# Altium PCB VFDControl.PcbDoc
Units mm, origin at the board's own origin, x right, y up, seen from the top; angles counter-clockwise.
Board outline 90.04 x 90.04 mm, 2 copper layers (Top Layer, Bottom Layer); 47 components, 52 nets, 216 pads, 31 vias.
Unrouted connection lines stored in the file: 3.
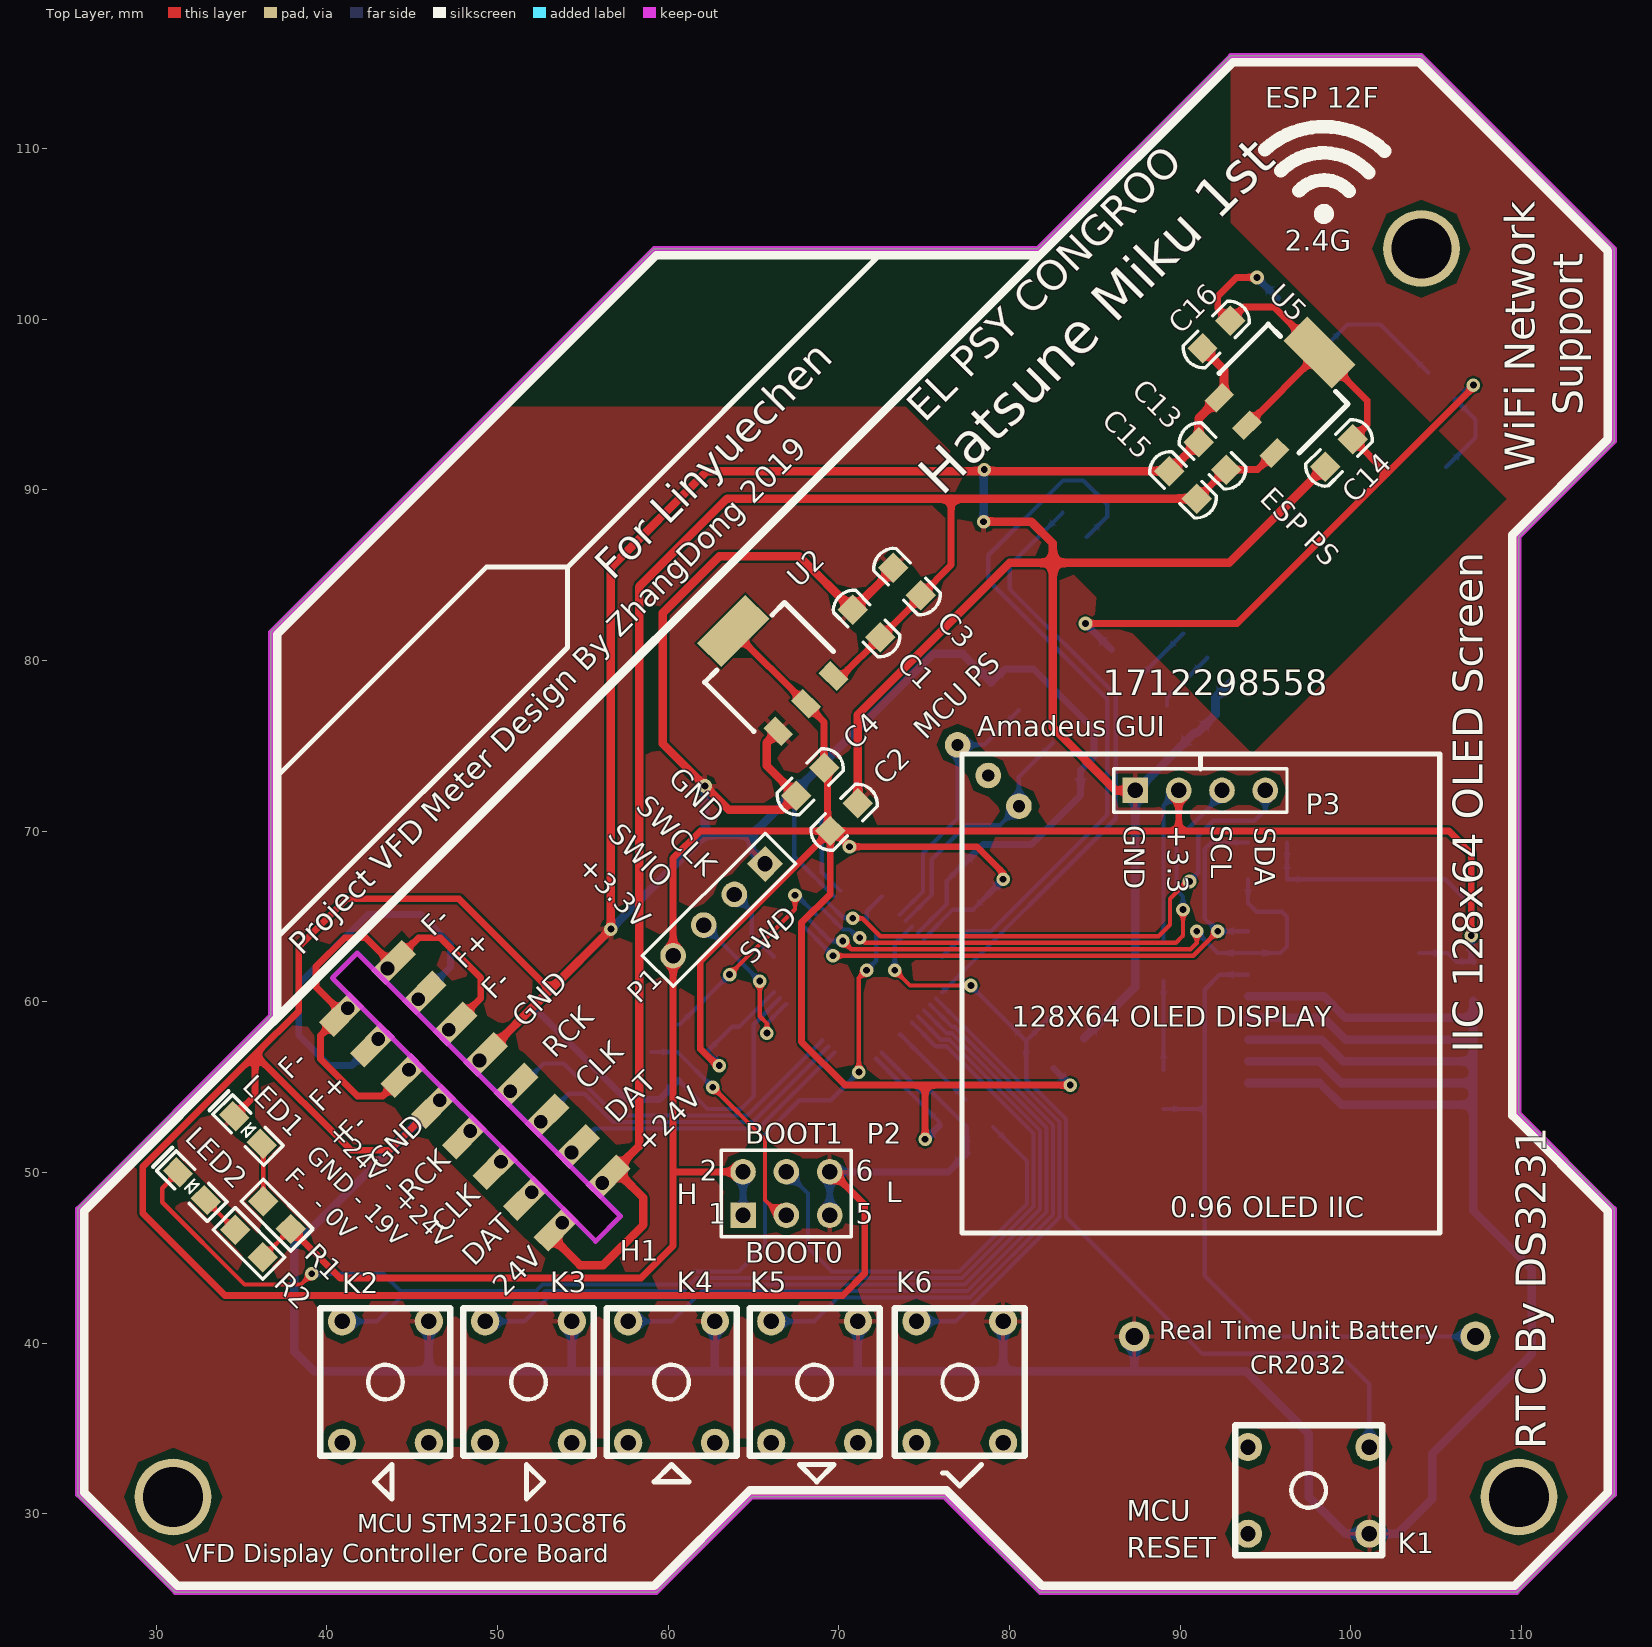
[diagram p0: Top Layer view]
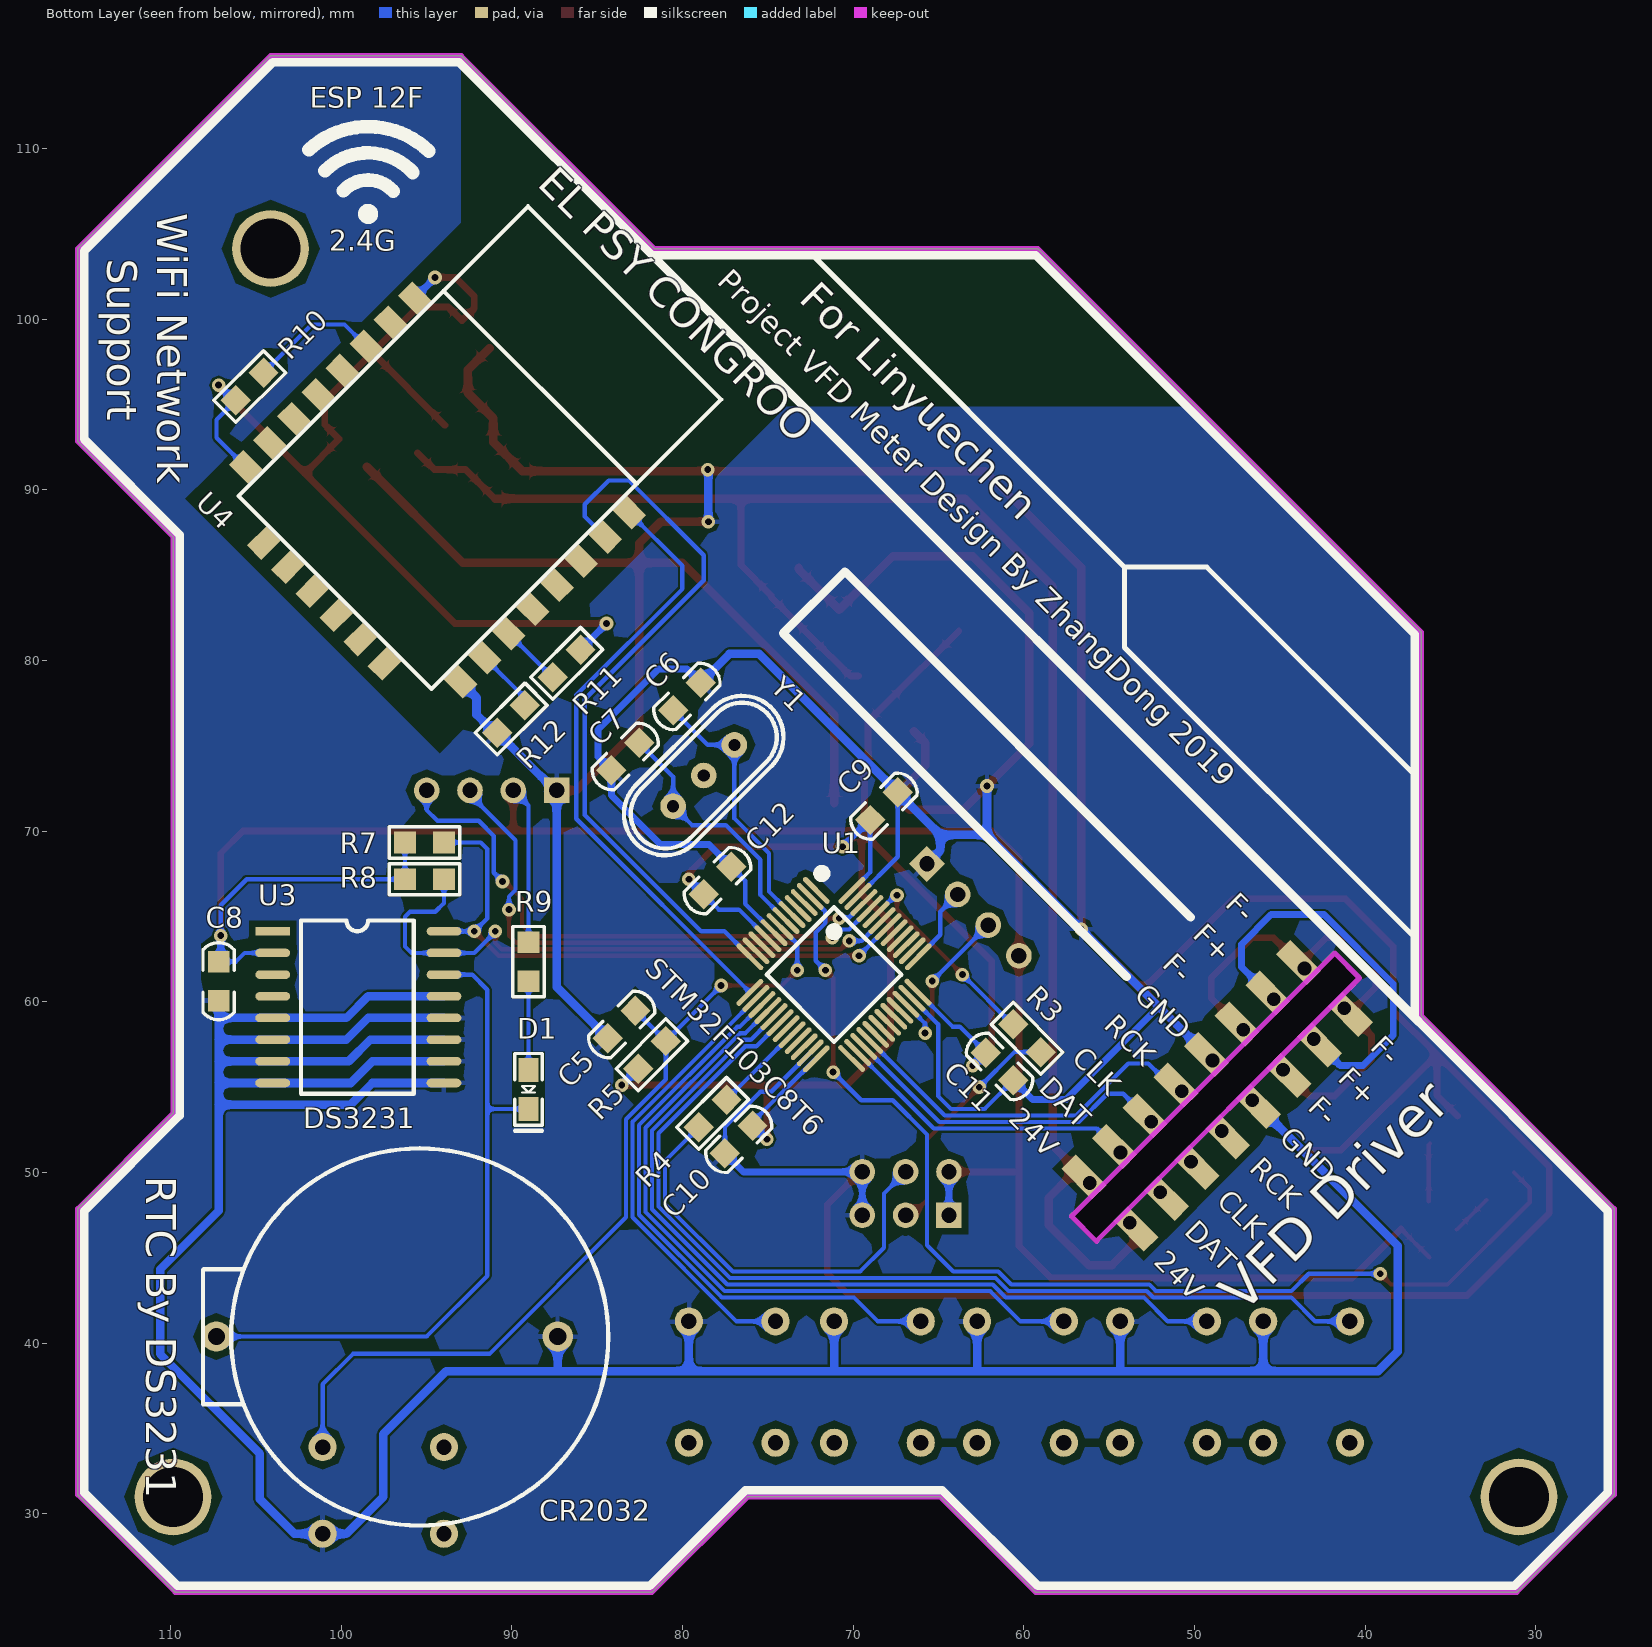
[diagram p1: Bottom Layer view, seen from below]
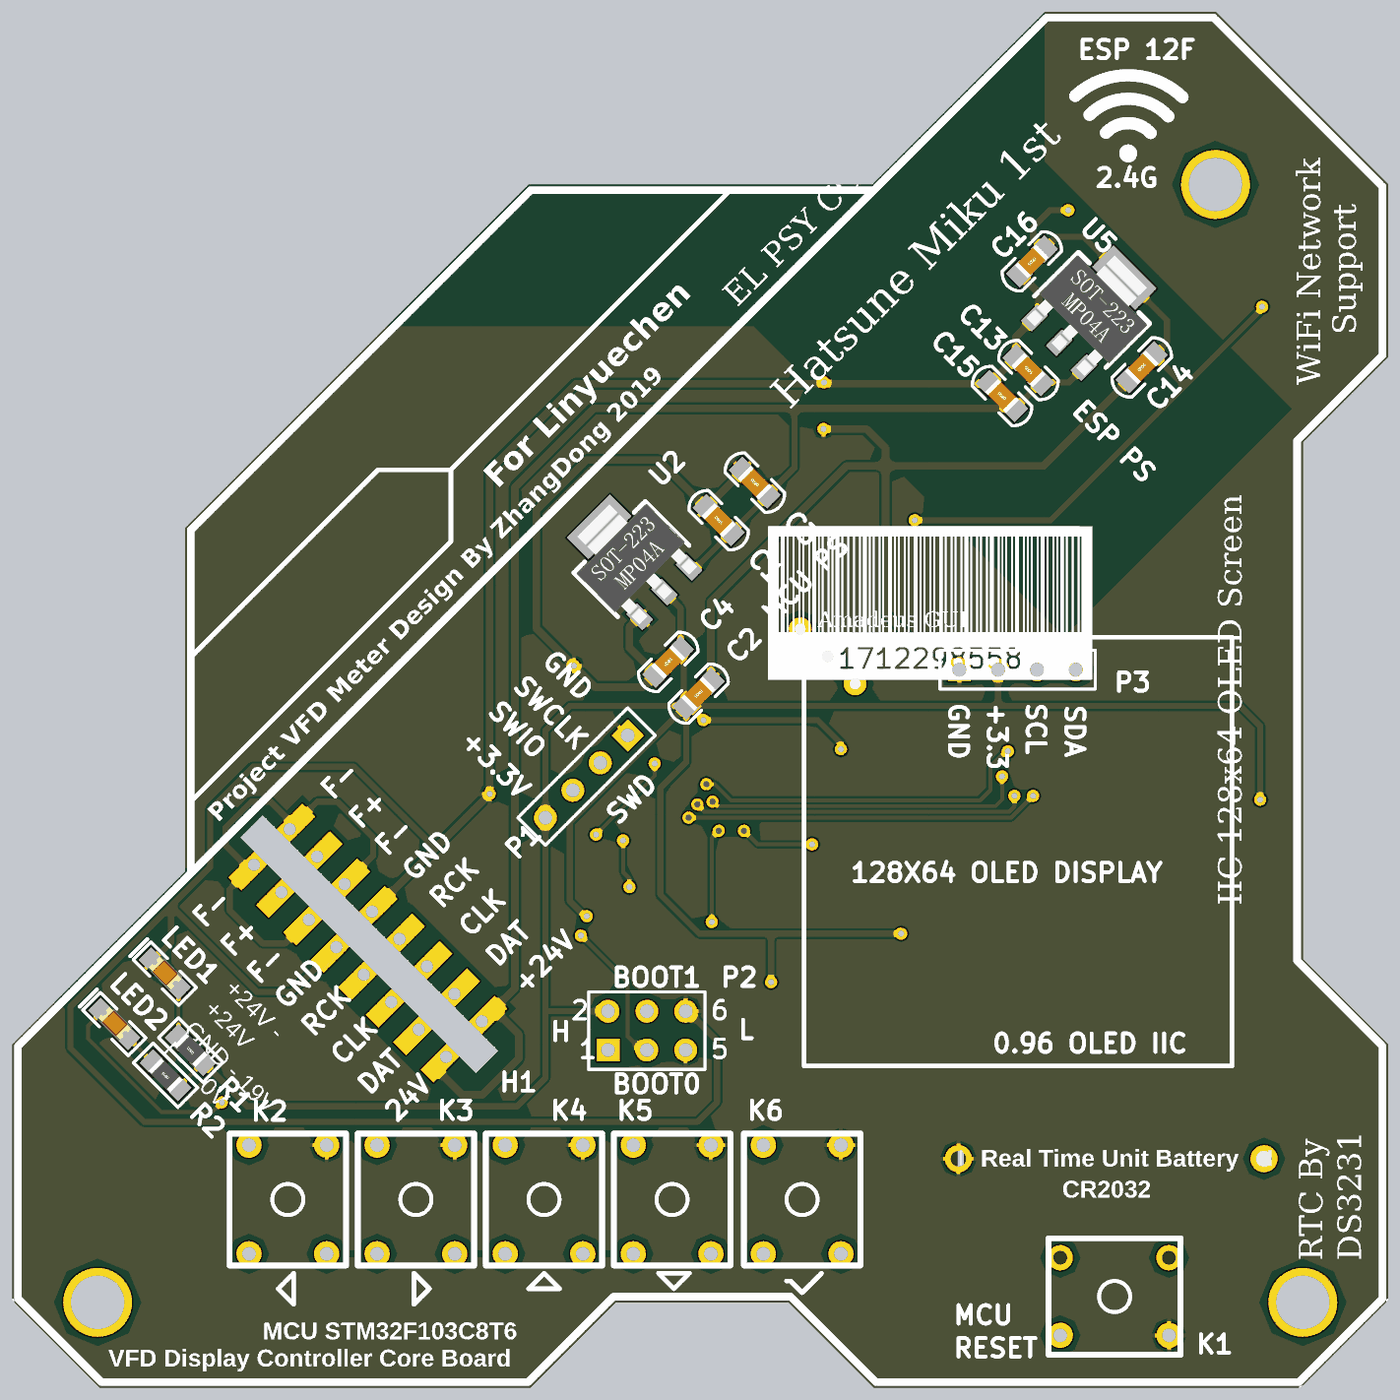
[diagram p2: 3D render of the assembled board from above, using the file's embedded part models]
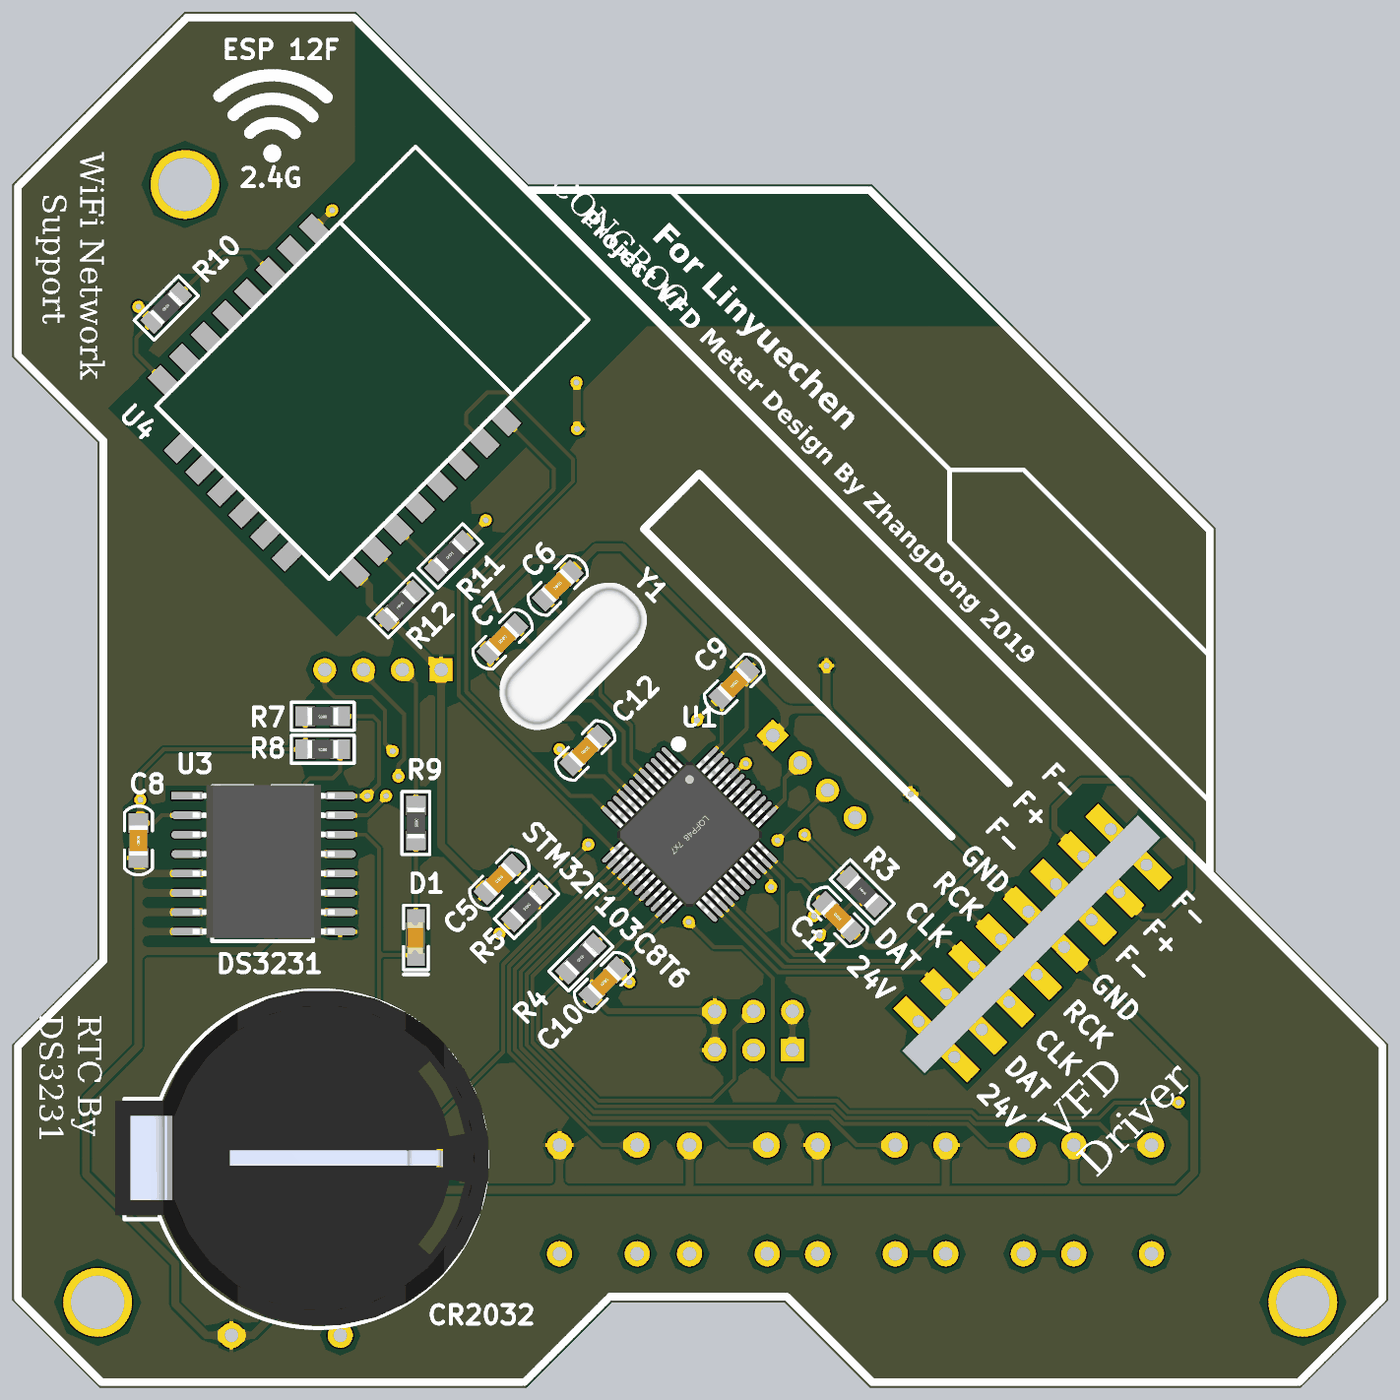
[diagram p3: 3D render of the assembled board from below, using the file's embedded part models]

## Layer stack, top to bottom
Top Solder: solder mask 0.0102, Solder Resist, Dk 3.5
Top Layer: signal copper 0.0356
Dielectric 1: dielectric 0.32, FR-4, Dk 4.8
Bottom Layer: signal copper 0.0356
Bottom Solder: solder mask 0.0102, Solder Resist, Dk 3.5

## Board outline
31.115,25.4 59.309,25.4 64.897,30.988 76.2,30.988 81.788,25.4 109.728,25.4 115.443,31.115 115.443,47.879 109.855,53.467 109.855,87.249 115.443,92.837 115.443,104.14 104.14,115.443 92.964,115.443 81.661,104.14 59.182,104.14 36.703,81.661 36.703,59.182 25.4,47.879 25.4,31.115
cut-out: 55.753,45.974 40.322,61.404 41.783,62.865 57.213,47.434

## Design rules (kind name [scope] priority, off if disabled: settings)
Clearance [All] p1: gap=0.127 ignorepadtopadclearanceinfootprint=FALSE except(0: Arc-Hole Track-Hole SMDPad-Hole THPad-Hole Via-Hole Fill-Hole Poly-Hole Region-Hole Text-Hole; 0.4: THPad-Fill THPad-Poly THPad-Region)
PolygonConnect [All] p1: connectstyle=Relief reliefconductorwidth=0.254 reliefentries=4 polygonreliefangle="90 Angle" airgapwidth=0.254
RoutingVias [All] p1: holewidth=0.4 width=0.8 viastyle="Through Hole" minholewidth=0.3 minwidth=0.6 maxholewidth=6.3 maxwidth=6.3
SolderMaskExpansion [All] p1: expansion=0.102
Width [All] p1: maxlimit=1 minlimit=0.254 preferedwidth=0.254
30 further rules are at their usual default settings.

## Components (designator, comment, footprint, x,y, rotation, side; value= is the part's Value field where it differs from the comment)
C1 "104" "C 0805" 71.628,82.169 r315 top
C2 "104" "C 0805" 70.312,70.82 r225 top
C3 "105" "C 0805" 73.995,84.628 r135 top
C4 "105" "C 0805" 68.326,72.898 r225 top
C5 "104" "C 0805" 83.566,58.674 r135 bottom
C6 "22pF" "C 0805" 79.746,77.897 r135 bottom
C7 "22pF" "C 0805" 83.358,74.376 r315 bottom
C8 "104" "C 0805" 107.188,61.214 r90 bottom
C9 "104" "C 0805" 68.199,71.465 r135 bottom
C10 "104" "C 0805" 76.708,51.943 r315 bottom
C11 "104" "C 0805" 61.422,56.215 r225 bottom
C12 "104" "C 0805" 77.95,67.102 r135 bottom
C13 "104" "C 0805" 91.902,91.994 r315 top
C14 "104" "C 0805" 99.314,92.167 r45 top
C15 "105" "C 0805" 90.17,90.297 r135 top
C16 "105" "C 0805" 92.121,99.106 r225 top
CR2032 "电池座" "CR2032 电池座" 95.377,40.386 r270 bottom
D1 "IN4148" 0805D 89.027,56.007 r270 bottom
H1 "Seat" SEAT8 56.128,49.38 r135 top
K1 "按键" 按键 97.536,31.369 r270 top
K2 "按键" 按键 43.434,37.719 r0 top
K3 "按键" 按键 51.816,37.719 r0 top
K4 "按键" 按键 60.198,37.719 r0 top
K5 "按键" 按键 68.58,37.719 r0 top
K6 "按键" 按键 77.089,37.719 r0 top
LED1 "LED" 0805D 36.195,51.689 r135 top
LED2 "LED" 0805D 32.893,48.387 r135 top
P1 "SWD" HDR1X4 65.677,68.09 r225 top
P2 "Header 3X2" HDR2X3 64.389,47.498 r0 top
P3 "OLED" HDR1X4 87.376,72.39 r0 top
R1 "1K" "R 0805" 37.084,47.498 r135 top
R2 "1K" "R 0805" 35.433,45.847 r135 top
R3 "100K" "R 0805" 59.817,57.866 r225 bottom
R4 "100K" "R 0805" 78.232,53.467 r135 bottom
R5 "1K" "R 0805" 81.788,56.896 r315 bottom
R7 "1K" "R 0805" 95.123,69.342 r0 bottom
R8 "1K" "R 0805" 95.123,67.183 r0 bottom
R9 "1K" "R 0805" 89.027,62.357 r270 bottom
R10 "10K" "R 0805" 105.364,96.058 r135 bottom
R11 "10K" "R 0805" 86.787,79.837 r135 bottom
R12 "10K" "R 0805" 90.043,76.581 r135 bottom
U1 "STM32F103C8T6" "LQFP48 7X7_M" 71.12,61.595 r315 bottom locked
U2 "LM1117" SOT-223 66.456,75.854 r45 top
U3 "DS3231" SOL-16 104.013,64.135 r180 bottom
U4 "ESP-12F" ESP-12F 106.023,89.643 r225 bottom
U5 "LM1117" SOT-223 92.294,95.4 r315 top
Y1 "XTAL" XTAL1 78.758,73.261 r135 bottom

## Footprints (in the part's own frame and the unit in brackets; to place one, negate y for a bottom-side part, rotate by r counter-clockwise, add the part's x,y. Pads: shape width x height; smd on the part's side, far side on the other; paste and mask are expansions set on the pad)
0805D [mil]
  rect 55x45 smd: 1(0,0) 2(90,0)
  silkscreen extent -38,-32 140,32, body extent 6,-27 86,23, height 43
"C 0805" [mil] "无极性贴片电容"
  rect 50x50 smd: 1(-45,0) 2(45,0)
  silkscreen extent -89,-36 89,36, body extent -39,-24 39,24, height 20
"CR2032 电池座" [mil]
  round 70 hole 40: 1(0,-470) 2(0,317.4)
  silkscreen extent -434,-501 436,434, body extent -435,-524 431,440, height 335
ESP-12F [mm]
  rect 1.6x1.2 smd: 1(-0.9,15.5) 2(-0.9,13.5) 3(-0.9,11.5) 4(-0.9,9.5) 5(-0.9,7.5) 6(-0.9,5.5) 7(-0.9,3.5) 8(-0.9,1.5) 15(16.9,1.5) 16(16.9,3.5) 17(16.9,5.5) 18(16.9,7.5) 19(16.9,9.5) 20(16.9,11.5) 21(16.9,13.5) 22(16.9,15.5)
  rect 1.2x1.6 smd: 9(3,-0.9) 10(5,-0.9) 11(7,-0.9) 12(9,-0.9) 13(11,-0.9) 14(13,-0.9)
  silkscreen extent 0,0 16,24, body extent -1.4,-1.4 17.42,24.18, height 2.4
HDR1X4 [mm] "Connector; Header; 4 Position"
  rect 1.5x1.5 hole 0.9: 1(0,0)
  round 1.5 hole 0.9: 2(2.54,0) 3(5.08,0) 4(7.62,0)
  silkscreen extent -1.27,-1.27 8.89,1.27
HDR2X3 [mm] "Connector; Header; 3x2 Position"
  rect 1.5x1.5 hole 0.9: 1(0,0)
  round 1.5 hole 0.9: 2(0,2.54) 3(2.54,0) 4(2.54,2.54) 5(5.08,0) 6(5.08,2.54)
  silkscreen extent -1.27,-1.27 6.35,3.81
"LQFP48 7X7_M" [mm] "48脚，体宽7x7mm，脚距0.5mm"
  oval 0.3x2.1 smd: 1(-2.75,-4.227) 2(-2.25,-4.227) 3(-1.75,-4.227) 4(-1.25,-4.227) 5(-0.75,-4.227) 6(-0.25,-4.227) 7(0.25,-4.227) 8(0.75,-4.227) 9(1.25,-4.227) 10(1.75,-4.227) 11(2.25,-4.227) 12(2.75,-4.227) 25(2.75,4.202) 26(2.25,4.202) 27(1.75,4.202) 28(1.25,4.202) 29(0.75,4.202) 30(0.25,4.202) 31(-0.25,4.202) 32(-0.75,4.202) 33(-1.25,4.202) 34(-1.75,4.202) 35(-2.25,4.202) 36(-2.75,4.202)
  oval 2.1x0.3 smd: 13(4.227,-2.75) 14(4.227,-2.25) 15(4.227,-1.75) 16(4.227,-1.25) 17(4.227,-0.75) 18(4.227,-0.25) 19(4.227,0.25) 20(4.227,0.75) 21(4.227,1.25) 22(4.227,1.75) 23(4.227,2.25) 24(4.227,2.75) 37(-4.227,2.75) 38(-4.227,2.25) 39(-4.227,1.75) 40(-4.227,1.25) 41(-4.227,0.75) 42(-4.227,0.25) 43(-4.227,-0.25) 44(-4.227,-0.75) 45(-4.227,-1.25) 46(-4.227,-1.75) 47(-4.227,-2.25) 48(-4.227,-2.75)
  silkscreen extent -3.93,-4.95 2.79,2.79, body extent -4.5,-4.5 4.5,4.5, height 1.45
"R 0805" [mil] "1/8W贴片电阻"
  rect 50x50 smd: 1(-45,0) 2(45,0)
  silkscreen extent -81,-36 81,36, body extent -39,-25 39,25, height 20
SEAT8 [mm]
  rect 1.2x2.54 hole 0.8 copper offset 0,0.5: 1(0,3.302) 2(2.54,3.302) 3(5.08,3.302) 4(7.62,3.302) 5(10.16,3.302) 6(12.7,3.302) 7(15.24,3.302) 8(17.78,3.302)
  rect 1.2x2.54 hole 0.8 copper offset 0,-0.5: 1(0,0) 2(2.54,0) 3(5.08,0) 4(7.62,0) 5(10.16,0) 6(12.7,0) 7(15.24,0) 8(17.78,0)
SOL-16 [mil]
  rect 80x19.68 smd: 1(0,0)
  oval 80x19.68 smd: 2(0,-50) 3(0,-100) 4(0,-150) 5(0,-200) 6(0,-250) 7(0,-300) 8(0,-350) 9(395,-350) 10(395,-300) 11(395,-250) 12(395,-200) 13(395,-150) 14(395,-100) 15(395,-50) 16(395,0)
  silkscreen extent 65,-375 325,25, body extent 15,-366 381,28, height 69
SOT-223 [mil]
  rect 39x59 smd: 1(0,0) 3(180,0)
  rect 157.48x78.74 smd: 2(90,237.2)
  rect 38.98x59.05 smd: 2(90,0)
  silkscreen extent -40,40 220,200, body extent -37,-14 219,260, height 67
XTAL1 [mm]
  round 1.5 hole 0.711: 1(-2.54,0) 2(2.54,0) ""(0,0)
  silkscreen extent -5.61,-2.41 5.6,2.41, body extent -5.65,-2.34 5.7,2.31, height 4.01
按键 [mm]
  round 1.652 hole 0.9: 1(2.54,3.556) 2(-2.54,3.556) 3(-2.54,-3.556) 4(2.54,-3.556)
  silkscreen extent -3.81,-4.32 3.81,4.32, body extent -3.04,-4.06 3.04,4.06, height 4

## Part data
C1 C2 C3 C4 C5 C6 C7 C8 C9 C10 C11 C12 C13 C14 C15 C16: library part C, "无极性贴片电容"
CR2032: library part "CR2032 电池座"
D1: library part 二级管
P1 P3: library part "Header 4", "Header, 4-Pin", LatestRevisionDate=17-Jul-2002, LatestRevisionNote="Re-released for DXP Platform.", Publisher="Altium Limited"
P2: "Header, 3-Pin, Dual row", LatestRevisionDate=17-Jul-2002, LatestRevisionNote="Re-released for DXP Platform.", Publisher="Altium Limited"
R1 R2 R3 R4 R5 R7 R8 R9 R10 R11 R12: library part R, "贴片电阻"
U1: "Flaah:64/RAM:20/IO:36", BOM名称=32λ, 学习资源=www.o
LED1 LED2: LatestRevisionDate=08-Jul-2005, LatestRevisionNote="Mech Layer 1 removed.", PackageDescription="LED; 2 Leads", PackageReference=LED-0, Published=8-Jun-2000, Publisher="Altium Limited"
Y1: LatestRevisionDate=17-Jul-2002, LatestRevisionNote="Re-released for DXP Platform.", PackageDescription="Crystal, Thru-Hole; 2 Leads; Body 3.1 x 8.2 mm (Dia.xH)", PackageReference=R38, Published=8-Jun-2000, Publisher="Altium Limited"

## Free pads (board coordinates)
  round 4.5 hole 3.5: 2(104.14,104.14) 3(109.855,30.988) 4(30.988,30.988)

## Via types
v1: diameter 0.8, hole 0.4, Top Layer to Bottom Layer, 31 vias

## Nets (pads, with @x,y where several pads share a name; then routed paths per layer and width w, separated by ;. In a path a pad name is that pad's centre, name@x,y a point inside that pad or via, vN(x,y) a via of type N, cw(c..) or ccw(c..) an arc to the next point about the centre after c; other vN are vias at no path point)
+3.3V: C2.2 C4.1 C8.2 C9.1 C10.1 C11.1 C12.1 P1.4 P2.1 P2.2 P3.2 R1.1 R2.1 R5.2 R7.2 R8.2 R9.1 U1.9 U1.24 U1.36 U1.48 U2.2 U3.2 | length 244.2
  Top Layer w0.254: R2.1 R1.1
  Top Layer w0.4: R1.1 40.767,43.815 58.42,43.815 60.289,45.684 60.289,49.911 ; v1(62.992,56.261) 62.865,56.261 61.884,57.242 61.884,62.392 C2.2 ; U2.2@63.812,81.73 68.072,77.47 69.134,76.408 C4.1 69.342,73.498 69.342,70.173 C2.2 ; P2.2 60.416,50.038 60.289,49.911 ; v1(75.057,51.943) 75.057,55.118 ; v1(79.629,67.183) 79.629,67.564 78.105,69.088 v1(70.631,69.088) C2.2@69.707,70.012 ; v1(83.566,55.118) 75.057,55.118 ; P3.2 89.916,70.012 ; v1(107.061,63.881) 107.061,68.707 105.756,70.012 89.916,70.012 ; 60.289,49.911 P1.4 60.289,68.417 61.884,70.012 C2.2 ; C2.2 69.504,66.329 67.818,64.643 67.818,57.658 70.358,55.118 75.057,55.118 ; C2.2 C2.2@69.707,70.012 ; C2.2@69.707,70.012 89.916,70.012
  Bottom Layer w0.254: C11.1 63.754,58.547 64.183,58.547 U1.36 ; C9.1 69.007,67.597 U1.48 ; U1.24 72.19,56.662 75.9,52.951 C10.1 ; U1.9 76.698,65.405 77.869,65.405 C12.1 ; R9.1 89.027,71.501 P3.2 ; R7.2 R8.2 105.537,67.183 107.061,65.659 v1(107.061,63.881) ; U3.2 105.664,62.865 106.172,62.357 C8.2
  Bottom Layer w0.4: C11.1 v1(62.992,56.261) ; P2.1 P2.2 ; C9.1 69.043,70.657 70.612,69.088 v1(70.631,69.088) ; v1(75.057,51.943) 75.092,51.943 C10.1 ; C12.1 79.629,67.165 v1(79.629,67.183) ; R5.2 v1(83.566,55.118) ; v1(107.061,63.881) 107.061,62.484 C8.2
+24V: C1.2 C3.1 C13.2 C15.1 H1.1 U2.3 U5.3 | length 101.8
  Top Layer w0.4: U2.3 70.162,79.086 C1.2 74.803,83.728 C3.1 76.581,85.598 76.581,89.489 ; C15.1 91.013,89.489 C13.2 94.546,91.186 U5.3
  Top Layer w0.5: H1.1@53.793,47.045 53.086,46.338 53.069,46.338 54.829,44.577 56.197,44.577 58.547,46.926 58.547,48.514 57.277,49.784 H1.1@57.277,50.165 ; H1.1@56.128,49.38 58.293,51.545 58.293,53.086 58.293,84.328 63.454,89.489 76.581,89.489 C15.1
BOOT0: R3.1 U1.44 | length 12.1
  Top Layer w0.254: v1(63.601,61.595) 67.437,65.431 v1(67.437,66.248)
  Bottom Layer w0.254: R3.1 60.68,58.674 v1(63.601,61.595) ; v1(67.437,66.248) 67.528,66.248 U1.44
BOOT1: R4.2 U1.20 | length 5.4
  Bottom Layer w0.254: U1.20 73.623,58.076 R4.2
CLK: H1.3 U1.27 | length 20
  Bottom Layer w0.254: H1.3@52.536,52.972 54.174,54.61 55.118,54.61 56.769,52.959 64.959,52.959 U1.27
DAT: H1.2 U1.26 | length 17.8
  Bottom Layer w0.254: H1.2@54.332,51.176 55.734,52.578 65.285,52.578 U1.26
DS3231_SCL: R7.1 U1.42 U3.16 | length 35.2
  Top Layer w0.254: v1(69.66,62.702) 90.769,62.702 v1(92.202,64.135)
  Bottom Layer w0.254: U1.42 v1(69.66,62.702) ; U3.16 v1(92.202,64.135) 92.193,64.135 91.44,64.888 91.44,68.961 91.821,69.342 R7.1
DS3231_SDA: R8.1 U1.43 U3.15 | length 36
  Top Layer w0.254: v1(70.231,63.573) 70.721,63.083 90.611,63.083 90.978,63.45 v1(90.978,64.135)
  Bottom Layer w0.254: U1.43 69.495,63.573 v1(70.231,63.573) ; v1(90.978,64.135) 90.978,64.089 92.202,62.865 U3.15 95.885,62.865 96.266,63.246 96.266,64.987 95.975,65.278 94.488,65.278 93.98,65.786 R8.1
ESP3.3: C14.2 C16.1 R10.1 R11.2 U4.1 U4.8 U5.2 | length 65.8
  Top Layer w0.4: v1(84.455,82.169) 93.345,82.169 102.137,90.961 ; U5.2@93.911,93.784 U5.2@98.171,98.044 ; v1(94.508,102.451) 93.307,102.451 92.202,101.346 92.202,100.642 C16.1 93.726,100.711 95.504,100.711 U5.2@98.171,98.044 ; v1(107.188,96.139) 107.315,96.139 102.137,90.961 ; U5.2@98.171,98.044 100.965,95.25 100.965,93.818 C14.2 102.137,90.961
  Bottom Layer w0.254: U4.8 107.315,93.056 107.315,94.107 R10.1
  Bottom Layer w0.4: v1(84.455,82.169) R11.2 ; v1(94.508,102.451) 94.488,102.451 U4.1 ; R10.1 106.299,95.25 v1(107.188,96.139)
ESPRX: U1.12 U4.21 | length 43
  Bottom Layer w0.254: U1.12 77.549,64.135 78.913,64.135 85.725,70.947 85.725,77.737 78.758,84.704 78.758,86.17 83.139,90.551 84.328,90.551 85.725,89.154 85.725,88.437 U4.21
ESPTX: U1.13 U4.22 | length 36.2
  Bottom Layer w0.254: U1.13 86.233,70.73 86.233,77.978 80.01,84.201 80.01,85.55 U4.22
F+: H1.7 | length 24.4
  Bottom Layer w0.4: H1.7@43.017,57.821 41.457,56.261 40.132,56.261 38.354,58.039 38.354,61.061 42.408,65.114 45.503,65.114 47.244,63.373 47.244,62.048 H1.7@45.352,60.156
F-: H1.6 H1.8 | length 30.9
  Top Layer w0.4: H1.6@44.813,56.025 43.271,54.483 41.783,54.483 39.624,56.642 39.624,58.02 41.221,59.617 40.622,59.617 39.37,60.869 39.37,62.077 41.047,63.754 42.291,63.754 43.556,62.489 43.556,61.952 45.358,63.754 46.658,63.754 49.022,61.39 49.022,60.234 H1.6@47.148,58.36
GND: C1.1 C2.1 C3.2 C4.2 C5.1 C6.2 C7.2 C8.1 C9.2 C10.2 C11.2 C12.2 C13.1 C14.1 C15.2 C16.2 CR2032.2 H1.5 K1.1 K2.1 K3.1 K4.1 K5.1 K6.1 LED1.2 P1.1 P2.5 P2.6 P3.1 R12.1 U1.8 U1.23 U1.35 U1.47 U2.1 U3.5 U3.6 U3.7 U3.8 U3.9 U3.10 U3.11 U3.12 U3.13 U4.15 U5.1 | length 642.9
  Top Layer w0.4: LED1.2 35.798,54.525 35.798,56.912 ; H1.5@46.609,54.229 43.688,51.308 41.402,51.308 35.798,56.912 ; 53.086,60.706 47.752,66.04 41.148,66.04 38.354,63.246 38.354,59.468 35.798,56.912 ; P2.6 69.596,50.038 71.518,48.116 71.518,44.086 70.231,42.799 34.036,42.799 29.21,47.625 29.21,50.324 35.798,56.912
  Top Layer w0.5: H1.5@48.944,56.564 53.086,60.706 v1(56.642,64.262) 56.642,85.471 62.276,91.105 C15.2 89.396,91.105 C13.1 91.094,94.199 U5.1 92.583,95.689 92.583,97.028 C16.2 ; U2.1 65.786,75.184 65.786,73.822 C4.2 66.675,71.247 63.556,71.247 v1(62.159,72.644) 59.69,75.113 59.69,82.804 62.992,86.106 67.691,86.106 C1.1 73.187,85.344 C3.2 ; C2.1 71.12,76.835 80.01,85.725 82.55,85.725 ; v1(78.486,88.138) 81.28,88.138 82.55,86.868 82.55,85.725 ; P3.1 86.233,72.39 82.55,76.073 82.55,85.725 ; C14.1 92.872,85.725 82.55,85.725
  Bottom Layer w0.254: C11.2 62.299,53.721 64.262,53.721 65.024,54.483 65.024,58.681 U1.35 ; C9.2 67.391,68.506 U1.47 ; U1.23 74.796,54.737 75.438,54.737 77.516,52.659 C10.2 ; U1.8 76.332,65.747 76.332,67.101 C12.2
  Bottom Layer w0.4: 52.133,59.753 52.133,59.658 57.517,54.275 59.482,54.275 C11.2 ; P2.5 P2.6 76.419,50.038 C10.2 ; C12.2 78.446,69.215 81.28,69.215 84.166,72.101 C7.2 84.963,74.364 84.963,75.946 81.407,79.502 79.734,79.502 C6.2
  Bottom Layer w0.5: K2.1 45.974,38.354 ; H1.5@46.609,54.229 38.1,45.72 38.1,39.497 39.243,38.354 45.974,38.354 ; H1.5@48.944,56.564 52.133,59.753 v1(56.642,64.262) 62.159,69.779 ; K3.1 54.356,38.481 54.229,38.354 ; v1(62.159,72.644) 62.159,69.779 ; K4.1 62.738,38.481 62.865,38.354 ; P1.1 64.897,68.87 64.897,69.779 ; K5.1 71.12,38.481 71.247,38.354 ; v1(78.486,88.138) 78.486,91.15 v1(78.522,91.186) ; C6.2 77.252,80.391 75.509,80.391 C9.2 64.897,69.779 ; K6.1 79.629,38.354 ; C5.1 87.376,60.868 P3.1 87.468,72.39 R12.1 91.013,75.773 92.075,76.835 92.075,77.816 U4.15 ; CR2032.2 87.315,38.42 87.249,38.354 ; U3.9 98.171,55.245 99.441,53.975 107.188,53.975 ; U3.10 98.171,56.515 99.441,55.245 U3.8 107.188,55.245 ; U3.11 98.29,57.785 99.56,56.515 U3.7 107.188,56.515 ; U3.12 98.425,59.055 99.695,57.785 U3.6 107.188,57.785 ; U3.13 98.425,60.325 99.695,59.055 U3.5 107.188,59.055 ; C8.1 107.188,59.055 ; 45.974,38.354 54.229,38.354 ; 54.229,38.354 62.865,38.354 ; 62.159,69.779 64.897,69.779 ; 62.865,38.354 71.247,38.354 ; 71.247,38.354 79.629,38.354 ; 79.629,38.354 87.249,38.354 ; 87.249,38.354 93.853,38.354 97.536,34.671 97.536,30.988 99.695,28.829 K1.1 102.743,28.829 104.775,30.861 104.775,33.528 110.617,39.37 110.617,44.323 107.188,47.752 107.188,53.975 ; 107.188,53.975 107.188,55.245 ; 107.188,55.245 107.188,56.515 ; 107.188,56.515 107.188,57.785 ; 107.188,57.785 107.188,59.055
Key1: K2.2 U1.18 | length 57.4
  Bottom Layer w0.254: K2.2 42.926,41.275 44.323,42.672 52.42,42.672 52.801,43.053 60.898,43.053 61.66,43.815 77.22,43.815 81.407,48.002 81.407,52.302 76.321,57.389 75.68,57.389 U1.18
Key2: K3.2 U1.17 | length 49.8
  Bottom Layer w0.254: K3.2 51.562,41.275 52.959,42.672 61.056,42.672 61.818,43.434 77.378,43.434 81.788,47.844 81.788,52.46 76.478,57.77 76.006,57.77 U1.17
Key3: K4.2 U1.16 | length 42.1
  Bottom Layer w0.254: K4.2 60.198,41.275 61.976,43.053 77.535,43.053 82.169,47.687 82.169,52.618 76.636,58.151 76.332,58.151 U1.16
Key4: K5.2 U1.15 | length 34.5
  Bottom Layer w0.254: K5.2 68.552,41.275 69.949,42.672 77.693,42.672 82.55,47.529 82.55,52.776 76.794,58.532 76.658,58.532 U1.15
Key5: K6.2 U1.14 | length 26.7
  Bottom Layer w0.254: K6.2 76.835,41.275 82.931,47.371 82.931,52.966 U1.14
LED1: LED2.2 U1.2 | length 66.1
  Top Layer w0.254: LED2.2 30.353,49.08 30.353,48.26 35.179,43.434 38.481,43.434 v1(39.116,44.069) ; v1(71.174,55.88) 71.174,61.395 v1(71.628,61.849)
  Bottom Layer w0.254: v1(39.116,44.069) 43.307,44.069 44.323,43.053 52.262,43.053 52.643,43.434 60.741,43.434 61.503,44.196 64.135,44.196 65.677,45.738 65.677,52.223 67.683,54.229 69.523,54.229 v1(71.174,55.88) ; v1(71.628,61.849) 72.19,62.411 72.19,64.063 71.628,64.625 71.628,65.285 U1.2
NetCR2032_1: CR2032.1 D1.2 U3.14 | length 39.4
  Bottom Layer w0.254: D1.2 91.44,53.721 ; U3.14 92.329,61.595 91.44,60.706 91.44,53.721 ; CR2032.1 94.996,40.386 91.44,43.942 91.44,53.721
NetD1_1: D1.1 R9.2 | length 5.2
  Bottom Layer w0.254: D1.1 R9.2
NetLED1_1: LED1.1 R1.2 | length 3.4
  Top Layer w0.254: LED1.1 36.276,51.608 R1.2
NetLED2_1: LED2.1 R2.2 | length 2.4
  Top Layer w0.254: LED2.1 R2.2
NetP2_3: P2.3 R3.2 | length 14
  Top Layer w0.254: v1(62.611,54.991) 65.677,51.925 65.677,48.387 66.566,47.498 P2.3
  Bottom Layer w0.254: R3.2 60.544,57.058 v1(62.611,54.991)
NetP2_4: P2.4 R4.1 | length 25.3
  Bottom Layer w0.254: P2.4 68.199,48.768 68.199,45.593 69.596,44.196 77.062,44.196 81.026,48.16 81.026,50.673 R4.1
NetR10_2: R10.2 U4.3 | length 7.7
  Bottom Layer w0.254: U4.3 99.812,99.695 101.727,99.695 R10.2
NetR11_1: R11.1 U4.17 | length 3.6
  Bottom Layer w0.254: R11.1 87.631,79.029 U4.17
NetR12_2: R12.2 U4.16 | length 3.8
  Bottom Layer w0.254: R12.2 89.235,77.804 U4.16
NRST: C5.2 K1.2 R5.1 U1.7 | length 51.7
  Top Layer w0.254: v1(73.279,61.849) 74.168,60.96 v1(77.742,60.96)
  Bottom Layer w0.254: v1(73.279,61.849) 73.279,63.4 U1.7 ; v1(77.742,60.96) 77.742,60.942 R5.1 ; C5.2 R5.1 ; K1.2 101.092,37.592 99.314,39.37 91.313,39.37 83.312,47.371 83.312,53.124 80.98,55.456 R5.1
OLED_SCL: P3.3 U1.45 | length 32
  Top Layer w0.254: v1(71.228,63.754) 71.518,63.464 89.753,63.464 90.17,63.881 v1(90.17,65.405)
  Bottom Layer w0.254: U1.45 70.24,64.243 70.631,64.243 71.174,63.7 v1(71.228,63.754) ; v1(90.17,65.405) 90.17,66.167 89.789,66.548 89.789,69.469 92.456,72.136 P3.3
OLED_SDA: P3.4 U1.46 | length 32.8
  Top Layer w0.254: v1(70.82,64.897) 71.374,64.897 72.426,63.845 88.737,63.845 89.408,64.516 89.408,66.04 90.424,67.056 v1(90.551,67.056)
  Bottom Layer w0.254: U1.46 70.262,64.928 70.789,64.928 v1(70.82,64.897) ; v1(90.551,67.056) 91.059,67.564 91.059,69.723 91.948,70.612 94.361,70.612 94.996,71.247 P3.4
OSCIN: C6.1 U1.5 Y1.2 | length 15.8
  Bottom Layer w0.254: U1.5 74.93,66.466 74.93,68.707 76.962,70.739 Y1.2 78.522,75.057 C6.1
OSCOUT: C7.1 U1.6 Y1.1 | length 15.2
  Bottom Layer w0.254: U1.6 75.438,66.267 75.438,68.326 77.47,70.358 79.447,70.358 Y1.1 80.554,73.188 C7.1
PA0: U1.10
PA1: U1.11
PA8: U1.29
PA9: U1.30
PA10: U1.31
PA11: U1.32
PA12: U1.33
PA15: U1.38
PB1: U1.19
PB3: U1.39
PB4: U1.40
PB5: U1.41
PB10: U1.21
PC14: U1.3
PC15: U1.4
RCK: H1.4 U1.28 | length 22
  Bottom Layer w0.254: H1.4@50.74,54.768 51.085,54.768 52.705,56.388 53.879,56.388 56.927,53.34 64.633,53.34 U1.28
SWDCLK: P1.2 U1.37 | length 4.6
  Bottom Layer w0.254: P1.2 64.897,65.278 64.897,63.929 U1.37
SWDIO: P1.3 U1.34 | length 10
  Top Layer w0.254: v1(65.369,61.214) 65.369,59.153 65.786,58.736 v1(65.786,58.166)
  Bottom Layer w0.254: P1.3 v1(65.369,61.214) ; v1(65.786,58.166) 65.786,58.736 U1.34
pads on no net: K1.3 K1.4 K2.3 K2.4 K3.3 K3.4 K4.3 K4.4 K5.3 K5.4 K6.3 K6.4 U1.1 U1.22 U1.25 U3.1 U3.3 U3.4 U4.2 U4.4 U4.5 U4.6 U4.7 U4.9 U4.10 U4.11 U4.12 U4.13 U4.14 U4.18 U4.19 U4.20 Y1.

## Polygon pours and split planes (outlines as drawn)
GND on Bottom Layer "GND_L02_P002" (solid, pour order 2): 109.728,25.4 115.443,31.115 115.443,47.879 109.855,53.467 109.855,87.249 109.938,87.249 115.443,92.754 115.443,104.14 104.14,115.443 93.01,115.443 93.01,105.664 107.823,90.805 109.179,89.494 94.234,74.549 73.914,94.869 49.911,94.869 36.703,81.661 36.703,59.136 36.657,59.136 25.4,47.879 25.4,31.115 31.115,25.4 59.309,25.4 64.897,30.988 76.327,30.988 81.915,25.4
GND on Top Layer "GND_L01_P004" (solid, pour order 4): 109.728,25.4 115.443,31.115 115.443,47.879 109.855,53.467 109.855,87.249 115.443,92.837 115.443,104.14 104.14,115.443 92.964,115.443 92.964,105.664 109.139,89.489 109.174,89.489 94.234,74.549 73.914,94.869 49.911,94.869 36.703,81.661 36.703,59.182 25.4,47.879 25.4,31.115 31.115,25.4 59.309,25.4 64.897,30.988 76.2,30.988 81.788,25.4

## Keep-outs
Keep-Out Layer:
  lines w0.3: 25.4,31.115 31.115,25.4 59.182,25.4 59.309,25.4 64.897,30.988 76.2,30.988 81.788,25.4 109.728,25.4 115.443,31.115 115.443,47.879 109.855,53.467 109.855,87.249 115.443,92.837 115.443,104.14 104.14,115.443 92.964,115.443 81.661,104.14 59.182,104.14 36.703,81.661 36.703,59.182 25.4,47.879 25.4,31.115 ; 40.322,61.404 41.783,62.865 57.213,47.434 55.753,45.974 40.322,61.404

## Silkscreen, mask and mechanical layers (free items; w line width, h text height)
Top Overlay:
  circle w0.6: c98.425,106.172 r0.289
  lines w0.3: 37.084,63.627 37.084,63.754 54.102,80.772 54.102,85.471 ; 37.084,64.135 37.084,64.389 ; 37.119,73.244 49.345,85.471 54.102,85.471 ; 72.39,103.759 54.102,85.471 ; 76.073,32.385 76.327,32.385 77.089,31.623 78.359,32.893 ; 77.216,46.524 77.216,46.457 ; 91.186,73.66 91.186,74.494 ; 77.216,46.457 105.216,46.457 105.216,46.524 105.216,74.524 77.216,74.524 77.216,46.457 ; 42.799,31.877 43.815,32.893 43.815,30.861 42.799,31.877 ; 51.689,30.861 51.689,32.893 52.705,31.877 51.689,30.861 ; 59.182,31.877 61.214,31.877 60.198,32.893 59.182,31.877 ; 67.691,32.893 69.723,32.893 68.707,31.877 67.691,32.893
  lines w0.5: 36.83,58.801 81.788,103.759 ; 81.788,103.759 59.309,103.759 37.084,81.534 37.084,59.055 25.781,47.752 25.781,31.242 31.242,25.781 59.182,25.781 64.77,31.369 76.327,31.369 81.915,25.781 109.601,25.781 115.062,31.242 115.062,47.752 109.474,53.34 109.474,87.376 115.062,92.964 115.062,104.013 104.013,115.062 93.091,115.062 81.788,103.759
  lines w0.8: 94.961,109.938 cw(c98.425,106.172) 101.977,109.855 ; 95.896,108.701 cw(c98.425,106.172) 101.049,108.602 ; 96.971,107.527 cw(c98.425,106.172) 99.896,107.509
  text "ESP 12F" at 94.996,112.395 h1.2
  text "2.4G" at 96.139,104.013 h1.2
  text "Support" at 114.173,94.361 h3 r90
  text "EL PSY CONGROO" at 75.438,93.472 h3 r45
  text "WiFi Network" at 111.379,91.072 h3 r90
  text "ESP PS" at 94.615,89.408 h1.2 r315
  text "Hatsune Miku 1st" at 76.581,89.027 h4 r45
  text "For Linyuechen" at 57.15,84.201 h3 r45
  text "1712298558" at 85.471,77.978 h1.5
  text "MCU PS" at 75.09,75.311 h1.2 r45
  text "Amadeus GUI" at 78.105,75.184 h2
  text "GND" at 59.944,73.025 h1.2 r315
  text "SWCLK" at 58.039,71.374 h1.2 r315
  text "GND" at 86.741,70.358 h1.2 r270
  text "+3.3" at 89.281,70.358 h1.2 r270
  text "SCL" at 91.821,70.358 h1.2 r270
  text "SDA" at 94.361,70.231 h1.2 r270
  text "SWIO" at 56.388,69.723 h1.2 r315
  text "+3.3V" at 54.61,67.818 h1.2 r315
  text "F-" at 46.228,63.754 h1.2 r45
  text "Project VFD Meter Design By ZhangDong 2019" at 38.862,62.357 h2.25 r45
  text "SWD" at 64.897,62.103 h1.2 r45
  text "F+" at 48.057,61.849 h1.2 r45
  text "F-" at 49.784,60.071 h1.2 r45
  text "128X64 OLED DISPLAY" at 80.137,58.547 h1.2
  text "GND" at 51.562,58.42 h1.2 r45
  text "IIC 128x64 OLED Screen" at 108.331,57.023 h3 r90
  text "RCK" at 53.34,56.642 h1.2 r45
  text "F-" at 37.846,55.372 h1.2 r45
  text "CLK" at 55.245,54.76 h1.2 r45
  text "F+" at 39.675,53.467 h1.2 r45
  text "DAT" at 57.023,52.832 h1.2 r45
  text "F-" at 41.402,51.689 h1.2 r45
  text "BOOT1" at 64.516,51.689 h1.2
  text "+24V" at 58.801,51.054 h1.2 r45
  text "GND" at 43.18,50.038 h1.2 r45
  text "+24V - +24V / GND - 19V / F-  - 0V" at 37.211,49.403 h1.8 r315
  text "RCK" at 44.958,48.26 h1.2 r45
  text "L" at 72.771,48.26 h1.2
  text "H" at 60.495,48.133 h1.2
  text "0.96 OLED IIC" at 89.408,47.371 h1.2
  text "CLK" at 46.863,46.378 h1.2 r45
  text "BOOT0" at 64.516,44.704 h1.2
  text "DAT" at 48.641,44.45 h1.2 r45
  text "24V" at 50.419,42.672 h1.2 r45
  text "Real Time Unit Battery" at 88.773,39.878 h1.8
  text "CR2032" at 94.107,37.846 h1.8
  text "RTC By DS3231" at 112.014,33.782 h3 r90
  text "MCU" at 86.868,29.591 h1.2
  text "MCU STM32F103C8T6" at 41.783,28.575 h1.8
  text "RESET" at 86.868,27.432 h1.2
  text "VFD Display Controller Core Board" at 31.69,26.797 h1.8
Bottom Overlay:
  circle w0.6: c98.425,106.172 r0.289
  lines w0.3: 37.084,63.754 54.102,80.772 54.102,85.471 ; 37.084,73.279 49.276,85.471 54.102,85.471 ; 72.39,103.759 54.102,85.471
  lines w0.5: 36.83,58.801 81.788,103.759 ; 50.228,64.96 70.485,85.217 74.105,81.597 53.975,61.468 ; 81.788,103.759 93.091,115.062 104.013,115.062 115.062,104.013 115.062,92.964 109.474,87.376 109.474,53.34 115.062,47.752 115.062,31.242 109.601,25.781 81.915,25.781 76.327,31.369 64.77,31.369 59.182,25.781 31.242,25.781 25.781,31.242 25.781,47.752 37.084,59.055 37.084,81.534 59.309,103.759 81.788,103.759
  lines w0.8: 94.873,109.855 cw(c98.425,106.172) 101.889,109.938 ; 95.801,108.602 cw(c98.425,106.172) 100.954,108.701 ; 96.954,107.509 cw(c98.425,106.172) 99.879,107.527
  text "ESP 12F" at 101.854,112.395 h1.2
  text "EL PSY CONGROO" at 88.981,107.442 h3 r45
  text "WiFi Network" at 111.379,106.207 h3 r90
  text "2.4G" at 100.711,104.013 h1.2
  text "Support" at 114.3,103.54 h3 r90
  text "Project VFD Meter Design By ZhangDong 2019" at 78.359,101.854 h2.25 r45
  text "For Linyuechen" at 73.66,100.711 h3 r45
  text "F-" at 48.26,65.659 h1.2 r45
  text "F+" at 50.165,63.83 h1.2 r45
  text "F-" at 51.943,62.103 h1.2 r45
  text "STM32F103C8T6" at 82.263,61.849 h1.2 r45
  text "GND" at 53.594,60.325 h1.2 r45
  text "RCK" at 55.372,58.547 h1.2 r45
  text "F-" at 39.751,57.277 h1.2 r45
  text "CLK" at 57.254,56.642 h1.2 r45
  text "F+" at 41.656,55.448 h1.2 r45
  text "DAT" at 59.182,54.864 h1.2 r45
  text "F-" at 43.434,53.721 h1.2 r45
  text "24V" at 60.96,53.086 h1.2 r45
  text "DS3231" at 102.235,52.578 h1.2
  text "GND" at 45.085,51.943 h1.2 r45
  text "RCK" at 46.863,50.165 h1.2 r45
  text "RTC By DS3231" at 112.014,49.784 h3 r90
  text "CLK" at 48.745,48.26 h1.2 r45
  text "DAT" at 50.673,46.482 h1.2 r45
  text "24V" at 52.451,44.704 h1.2 r45
  text "VFD Driver" at 46.609,41.148 h4 r315

## Dimensions
109.728,25.4 to 104.14,115.443 on Top Overlay
115.443,31.115 to 25.4,31.115 on Top Overlay

## Text inside footprints (layer, text, board x,y; h text height)
P2: Top Overlay "6" at 70.993,49.53 h1.2; Top Overlay "5" at 70.993,46.99 h1.2; Top Overlay "2" at 61.849,49.53 h1.2; Top Overlay "1" at 62.357,46.99 h1.2